# Altium PCB higgs.PcbDoc (part 23 of 25)
Units mm, origin at the board's own origin, x right, y up, seen from the top; angles counter-clockwise.
Board outline 160 x 160 mm, 15 copper layers (TOP, P1(GND), S1(V), P2(GND), S2(H), P3(GND), S3(V12/V2V5), S4(VDDR), P4(GND), S5(V), P5(GND), S6(H), P6(GND), P1(GND) (Plane1), BOT), stack 3.262 mm thick; 1283 components, 2419 nets, 11066 pads, 5487 vias.
Unrouted connection lines stored in the file: 239.
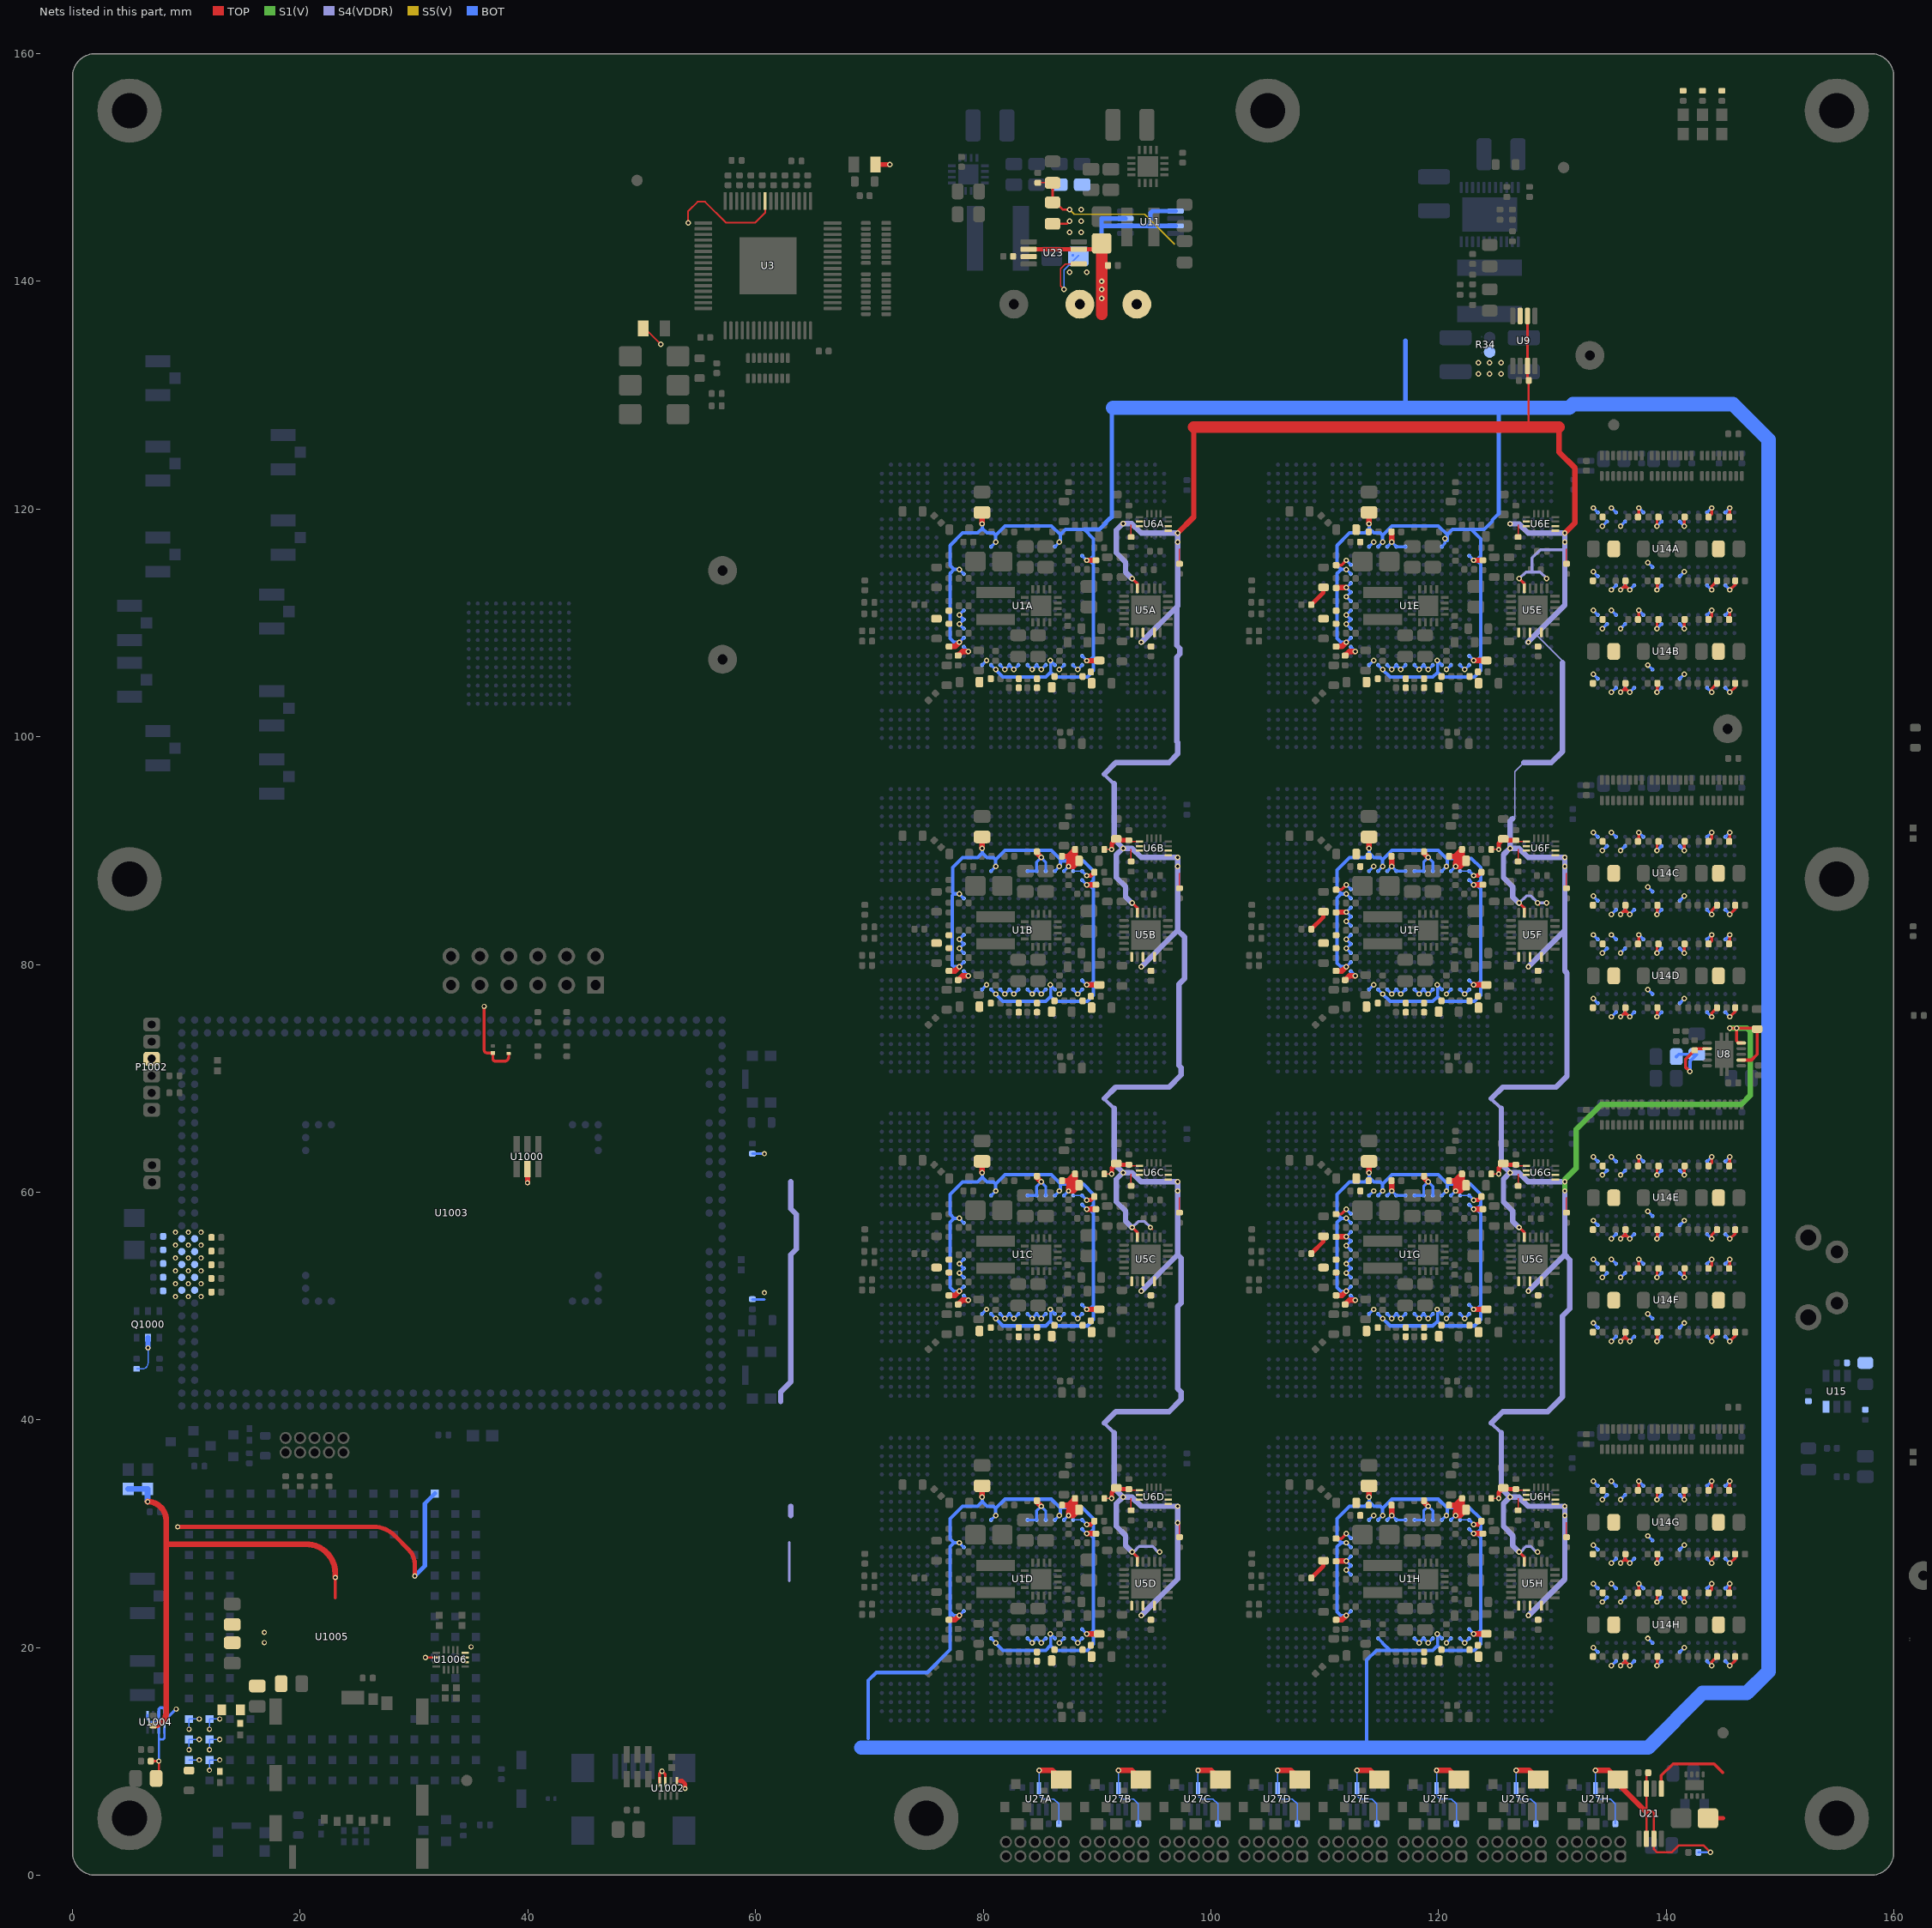
[diagram p36: the nets of this part, all layers, seen from the top]

## Via types
v1: diameter 0.483, hole 0.254, TOP to BOT, tented both sides, 5146 vias
v2: diameter 0.457, hole 0.254, TOP to BOT, tented both sides, 278 vias
v3: diameter 0.5, hole 0.25, TOP to BOT, 50 vias
v4: diameter 0.483/0/0/0/0.483/0/0/0.483 (per signal layer), hole 0.254, TOP to BOT, tented both sides, 7 vias
v5: diameter 0.483, hole 0.254, TOP to BOT, tented bottom, 5 vias
v6: diameter 0.483, hole 0.254, TOP to BOT, 1 vias

## Nets (pads, with @x,y where several pads share a name; then routed paths per layer and width w, separated by ;. In a path a pad name is that pad's centre, name@x,y a point inside that pad or via, vN(x,y) a via of type N, cw(c..) or ccw(c..) an arc to the next point about the centre after c; other vN are vias at no path point) (continued)
V1V35: C15E.2 C15F.2 C15G.2 C15H.2 C16E.2 C16F.2 C16G.2 C16H.2 C17E.2 C17F.2 C17G.2 C17H.2 C18E.2 C18F.2 C18G.2 C18H.2 C22A.2 C22B.2 C22C.2 C22D.2 C22E.2 C22F.2 C22G.2 C22H.2 C23A.2 C23B.2 C23C.2 C23D.2 C23E.2 C23F.2 C23G.2 C23H.2 C24A.2 C24B.2 C24C.2 C24D.2 C24E.2 C24F.2 C24G.2 C24H.2 C25A.2 C25B.2 C25C.2 C25D.2 C25E.2 C25F.2 C25G.2 C25H.2 C28A.2 C28B.2 C28C.2 C28D.2 C28E.2 C28F.2 C28G.2 C28H.2 C29A.2 C29B.2 C29C.2 C29D.2 C29E.2 C29F.2 C29G.2 C29H.2 C30A.2 C30B.2 C30C.2 C30D.2 C30E.2 C30F.2 C30G.2 C30H.2 C31B.2 C31C.2 C31D.2 C31F.2 C31G.2 C31H.2 C32B.2 C32C.2 C32D.2 C32F.2 C32G.2 C32H.2 C33B.2 C33C.2 C33D.2 C33F.2 C33G.2 C33H.2 C34B.2 C34C.2 C34D.2 C34F.2 C34G.2 C34H.2 C35B.2 C35C.2 C35D.2 C35F.2 C35G.2 C35H.2 C36B.2 C36C.2 C36D.2 C36F.2 C36G.2 C36H.2 C46E.2 C46F.2 C46G.2 C46H.2 C47E.2 C47F.2 C47G.2 C47H.2 C48E.2 C48F.2 C48G.2 C48H.2 C49E.2 C49F.2 C49G.2 C49H.2 C50A.2 C50B.2 C50C.2 C50E.2 C50F.2 C50G.2 C51A.2 C51B.2 C51C.2 C51E.2 C51F.2 C51G.2 C52A.2 C52B.2 C52C.2 C52E.2 C52F.2 C52G.2 C53A.2 C53B.2 C53C.2 C53E.2 C53F.2 C53G.2 C54A.2 C54B.2 C54C.2 C54E.2 C54F.2 C54G.2 C55A.2 C55B.2 C55C.2 C55E.2 C55F.2 C55G.2 C56A.2 C56B.2 C56C.2 C56E.2 C56F.2 C56G.2 C57A.2 C57B.2 C57C.2 C57E.2 C57F.2 C57G.2 C77.2 C78.2 C118A.1 C118B.1 C118C.1 C118D.1 C118E.1 C118F.1 C118G.1 C118H.1 C119A.2 C119B.2 C119C.2 C119D.2 C119E.2 C119F.2 C119G.2 C119H.2 C120A.2 C120B.2 C120C.2 C120D.2 C120E.2 C120F.2 C120G.2 C120H.2 C121A.2 C121B.2 C121C.2 C121D.2 C121E.2 C121F.2 C121G.2 C121H.2 C122A.2 C122B.2 C122C.2 C122D.2 C122E.2 C122F.2 C122G.2 C122H.2 C123A.2 C123B.2 C123C.2 C123D.2 C123E.2 C123F.2 C123G.2 C123H.2 C124A.1 C124B.1 C124C.1 C124D.1 C124E.1 C124F.1 C124G.1 C124H.1 C125A.2 C125B.2 C125C.2 C125D.2 C125E.2 C125F.2 C125G.2 C125H.2 C126A.2 C126B.2 C126C.2 C126D.2 C126E.2 C126F.2 C126G.2 C126H.2 C127A.2 C127B.2 C127C.2 C127D.2 C127E.2 C127F.2 C127G.2 C127H.2 C128A.2 C128B.2 C128C.2 C128D.2 C128E.2 C128F.2 C128G.2 C128H.2 C129A.2 C129B.2 C129C.2 C129D.2 C129E.2 C129F.2 C129G.2 C129H.2 C130A.2 C130B.2 C130C.2 C130D.2 C130E.2 C130F.2 C130G.2 C130H.2 NT5.A R1B.2 R1C.2 R1D.2 R1F.2 R1G.2 R1H.2 R4B.2 R4C.2 R4D.2 R4F.2 R4G.2 R4H.2 R31.1 R34.2 R57.2 U1A.AA23 U1A.AB23 U1A.AC23 U1A.K17 U1A.K18 U1A.K19 U1A.K21 U1A.M23 U1A.P23 U1A.R23 U1A.T23 U1A.U23 U1A.V23 U1A.W23 U1B.AA10 U1B.AA23 U1B.AB10 U1B.AB23 U1B.AC10 U1B.AC23 U1B.K17 U1B.K18 U1B.K19 U1B.K21 U1B.M23 U1B.P23 U1B.R23 U1B.T23 U1B.U10 U1B.U23 U1B.V10 U1B.V23 U1B.W10 U1B.W23 U1C.AA10 U1C.AA23 U1C.AB10 U1C.AB23 U1C.AC10 U1C.AC23 U1C.K17 U1C.K18 U1C.K19 U1C.K21 U1C.M23 U1C.P23 U1C.R23 U1C.T23 U1C.U10 U1C.U23 U1C.V10 U1C.V23 U1C.W10 U1C.W23 U1D.AA10 U1D.AA23 U1D.AB10 U1D.AB23 U1D.AC10 U1D.AC23 U1D.U10 U1D.U23 U1D.V10 U1D.V23 U1D.W10 U1D.W23 U1E.AA23 U1E.AB23 U1E.AC23 U1E.K12 U1E.K14 U1E.K15 U1E.K16 U1E.K17 U1E.K18 U1E.K19 U1E.K21 U1E.M10 U1E.M23 U1E.P10 U1E.P23 U1E.R10 U1E.R23 U1E.T10 U1E.T23 U1E.U23 U1E.V23 U1E.W23 U1F.AA10 U1F.AA23 U1F.AB10 U1F.AB23 U1F.AC10 U1F.AC23 U1F.K12 U1F.K14 U1F.K15 U1F.K16 U1F.K17 U1F.K18 U1F.K19 U1F.K21 U1F.M10 U1F.M23 U1F.P10 U1F.P23 U1F.R10 U1F.R23 U1F.T10 U1F.T23 U1F.U10 U1F.U23 U1F.V10 U1F.V23 U1F.W10 U1F.W23 U1G.AA10 U1G.AA23 U1G.AB10 U1G.AB23 U1G.AC10 U1G.AC23 U1G.K12 U1G.K14 U1G.K15 U1G.K16 U1G.K17 U1G.K18 U1G.K19 U1G.K21 U1G.M10 U1G.M23 U1G.P10 U1G.P23 U1G.R10 U1G.R23 U1G.T10 U1G.T23 U1G.U10 U1G.U23 U1G.V10 U1G.V23 U1G.W10 U1G.W23 U1H.AA10 U1H.AA23 U1H.AB10 U1H.AB23 U1H.AC10 U1H.AC23 U1H.K12 U1H.K14 U1H.K15 U1H.K16 U1H.M10 U1H.P10 U1H.R10 U1H.T10 U1H.U10 U1H.U23 U1H.V10 U1H.V23 U1H.W10 U1H.W23 U6B.13 U6C.13 U6D.13 U6F.13 U6G.13 U6H.13 U8.2 U14A.A1 U14A.A8 U14A.B2 U14A.C1 U14A.C9 U14A.D2 U14A.D9 U14A.E9 U14A.F1 U14A.G7 U14A.H2 U14A.H9 U14A.K2 U14A.K8 U14A.N1 U14A.N9 U14A.R1 U14A.R9 U14B.A1 U14B.A8 U14B.B2 U14B.C1 U14B.C9 U14B.D2 U14B.D9 U14B.E9 U14B.F1 U14B.G7 U14B.H2 U14B.H9 U14B.K2 U14B.K8 U14B.N1 U14B.N9 U14B.R1 U14B.R9 U14C.A1 U14C.A8 U14C.B2 U14C.C1 U14C.C9 U14C.D2 U14C.D9 U14C.E9 U14C.F1 U14C.G7 U14C.H2 U14C.H9 U14C.K2 U14C.K8 U14C.N1 U14C.N9 U14C.R1 U14C.R9 U14D.A1 U14D.A8 U14D.B2 U14D.C1 U14D.C9 U14D.D2 U14D.D9 U14D.E9 U14D.F1 U14D.G7 U14D.H2 U14D.H9 U14D.K2 U14D.K8 U14D.N1 U14D.N9 U14D.R1 U14D.R9 U14E.A1 U14E.A8 U14E.B2 U14E.C1 U14E.C9 U14E.D2 U14E.D9 U14E.E9 U14E.F1 U14E.G7 U14E.H2 U14E.H9 U14E.K2 U14E.K8 U14E.N1 U14E.N9 U14E.R1 U14E.R9 U14F.A1 U14F.A8 U14F.B2 U14F.C1 U14F.C9 U14F.D2 U14F.D9 U14F.E9 U14F.F1 U14F.G7 U14F.H2 U14F.H9 U14F.K2 U14F.K8 U14F.N1 U14F.N9 U14F.R1 U14F.R9 U14G.A1 U14G.A8 U14G.B2 U14G.C1 U14G.C9 U14G.D2 U14G.D9 U14G.E9 U14G.F1 U14G.G7 U14G.H2 U14G.H9 U14G.K2 U14G.K8 U14G.N1 U14G.N9 U14G.R1 U14G.R9 U14H.A1 U14H.A8 U14H.B2 U14H.C1 U14H.C9 U14H.D2 U14H.D9 U14H.E9 U14H.F1 U14H.G7 U14H.H2 U14H.H9 U14H.K2 U14H.K8 U14H.N1 U14H.N9 U14H.R1 U14H.R9 | length 369.1
  TOP w0.1: R1D.2@90.645,33.1 v1@91.2,33.1 ; R1C.2@90.645,61.6 v1@91.2,61.6 ; R1B.2@90.645,90.1 v1@91.2,90.1 ; R4D.2@92.8,33.91 92.91,33.8 U6D.13@93.725,33.8 ; R4C.2@92.8,62.41 92.91,62.3 U6C.13@93.725,62.3 ; R4B.2@92.8,90.91 92.91,90.8 U6B.13@93.725,90.8 ; R1H.2@124.645,33.1 v1@125.2,33.1 ; R1G.2@124.645,61.6 v1@125.2,61.6 ; R1F.2@124.645,90.1 v1@125.2,90.1 ; R4H.2@126.8,33.91 126.91,33.8 U6H.13@127.725,33.8 ; R4G.2@126.8,62.41 126.91,62.3 U6G.13@127.725,62.3 ; R4F.2@126.8,90.91 126.91,90.8 U6F.13@127.725,90.8
  TOP w0.254: C48H.2@111,29.57 111.47,29.57 v1(111.9,30) ; C48G.2@111,58.07 111.47,58.07 v1(111.9,58.5) ; C48F.2@111,86.57 111.47,86.57 v1(111.9,87) ; C48E.2@111,115.07 111.47,115.07 v1(111.9,115.5) ; C119H.2@133.57,19.2 C119H.2@133.599,19.229 ; C119G.2@133.57,28.2 C119G.2@133.599,28.229 ; C119F.2@133.57,47.7 C119F.2@133.599,47.729 ; C119E.2@133.57,56.7 C119E.2@133.599,56.729 ; C119D.2@133.57,76.2 C119D.2@133.599,76.229 ; C119C.2@133.57,85.2 C119C.2@133.599,85.229 ; C119B.2@133.57,104.7 C119B.2@133.599,104.729 ; C119A.2@133.57,113.7 C119A.2@133.599,113.729 ; C122H.2@134.399,24.769 C122H.2@134.43,24.8 ; C122G.2@134.399,33.769 C122G.2@134.43,33.8 ; C122F.2@134.399,53.269 C122F.2@134.43,53.3 ; C122E.2@134.399,62.269 C122E.2@134.43,62.3 ; C122D.2@134.399,81.769 C122D.2@134.43,81.8 ; C122C.2@134.399,90.769 C122C.2@134.43,90.8 ; C122B.2@134.399,110.269 C122B.2@134.43,110.3 ; C122A.2@134.399,119.269 C122A.2@134.43,119.3 ; v1@135.199,25.569 v1(135.199,25.6) ; v1@135.199,34.569 v1(135.199,34.6) ; v1@135.199,54.069 v1(135.199,54.1) ; v1@135.199,63.069 v1(135.199,63.1) ; v1@135.199,82.569 v1(135.199,82.6) ; v1@135.199,91.569 v1(135.199,91.6) ; v1@135.199,111.069 v1(135.199,111.1) ; v1@135.199,120.069 v1(135.199,120.1) ; v1(136,18.4) 136.25,18.65 136.4,18.65 ; v1(136,27.4) 136.25,27.65 136.4,27.65 ; v1(136,46.9) 136.25,47.15 136.4,47.15 ; v1(136,55.9) 136.25,56.15 136.4,56.15 ; v1(136,75.4) 136.25,75.65 136.4,75.65 ; v1(136,84.4) 136.25,84.65 136.4,84.65 ; v1(136,103.9) 136.25,104.15 136.4,104.15 ; v1(136,112.9) 136.25,113.15 136.4,113.15 ; C130H.2@136.43,19.2 136.4,19.17 136.4,18.65 ; C130G.2@136.43,28.2 136.4,28.17 136.4,27.65 ; C130F.2@136.43,47.7 136.4,47.67 136.4,47.15 ; C130E.2@136.43,56.7 136.4,56.67 136.4,56.15 ; C130D.2@136.43,76.2 136.4,76.17 136.4,75.65 ; C130C.2@136.43,85.2 136.4,85.17 136.4,84.65 ; C130B.2@136.43,104.7 136.4,104.67 136.4,104.15 ; C130A.2@136.43,113.7 136.4,113.67 136.4,113.15 ; v1(136.8,18.4) 136.549,18.65 136.4,18.65 ; v1(136.8,27.4) 136.549,27.65 136.4,27.65 ; v1(136.8,46.9) 136.549,47.15 136.4,47.15 ; v1(136.8,55.9) 136.549,56.15 136.4,56.15 ; v1(136.8,75.4) 136.549,75.65 136.4,75.65 ; v1(136.8,84.4) 136.549,84.65 136.4,84.65 ; v1(136.8,103.9) 136.549,104.15 136.4,104.15 ; v1(136.8,112.9) 136.549,113.15 136.4,113.15 ; C123H.2@137.53,24.8 137.6,24.87 v1(137.6,25.6) ; C123G.2@137.53,33.8 137.6,33.87 v1(137.6,34.6) ; C123F.2@137.53,53.3 137.6,53.37 v1(137.6,54.1) ; C123E.2@137.53,62.3 137.6,62.37 v1(137.6,63.1) ; C123D.2@137.53,81.8 137.6,81.87 v1(137.6,82.6) ; C123C.2@137.53,90.8 137.6,90.87 v1(137.6,91.6) ; C123B.2@137.53,110.3 137.6,110.37 v1(137.6,111.1) ; C123A.2@137.53,119.3 137.6,119.37 v1(137.6,120.1) ; v1(139.2,18.4) 139.23,18.43 C121H.2@139.23,19.2 ; v1(139.2,24) 139.2,24.67 C125H.2@139.33,24.8 ; v1(139.2,27.4) 139.23,27.43 C121G.2@139.23,28.2 ; v1(139.2,33) 139.2,33.67 C125G.2@139.33,33.8 ; v1(139.2,46.9) 139.23,46.93 C121F.2@139.23,47.7 ; v1(139.2,52.5) 139.2,53.17 C125F.2@139.33,53.3 ; v1(139.2,55.9) 139.23,55.93 C121E.2@139.23,56.7 ; v1(139.2,61.5) 139.2,62.17 C125E.2@139.33,62.3 ; v1(139.2,75.4) 139.23,75.43 C121D.2@139.23,76.2 ; v1(139.2,81) 139.2,81.67 C125D.2@139.33,81.8 ; v1(139.2,84.4) 139.23,84.43 C121C.2@139.23,85.2 ; v1(139.2,90) 139.2,90.67 C125C.2@139.33,90.8 ; v1(139.2,103.9) 139.23,103.93 C121B.2@139.23,104.7 ; v1(139.2,109.5) 139.2,110.17 C125B.2@139.33,110.3 ; v1(139.2,112.9) 139.23,112.93 C121A.2@139.23,113.7 ; v1(139.2,118.5) 139.2,119.17 C125A.2@139.33,119.3 ; v1(141.6,24) 141.6,24.77 C126H.2@141.63,24.8 ; v1(141.6,33) 141.6,33.77 C126G.2@141.63,33.8 ; v1(141.6,52.5) 141.6,53.27 C126F.2@141.63,53.3 ; v1(141.6,61.5) 141.6,62.27 C126E.2@141.63,62.3 ; v1(141.6,81) 141.6,81.77 C126D.2@141.63,81.8 ; v1(141.6,90) 141.6,90.77 C126C.2@141.63,90.8 ; v1(141.6,109.5) 141.6,110.27 C126B.2@141.63,110.3 ; v1(141.6,118.5) 141.6,119.27 C126A.2@141.63,119.3 ; C128H.2@143.73,24.8 144,25.07 v1(144,25.6) ; C128G.2@143.73,33.8 144,34.07 v1(144,34.6) ; C128F.2@143.73,53.3 144,53.57 v1(144,54.1) ; C128E.2@143.73,62.3 144,62.57 v1(144,63.1) ; C128D.2@143.73,81.8 144,82.07 v1(144,82.6) ; C128C.2@143.73,90.8 144,91.07 v1(144,91.6) ; C128B.2@143.73,110.3 144,110.57 v1(144,111.1) ; C128A.2@143.73,119.3 144,119.57 v1(144,120.1) ; v1(144,18.4) 144,18.73 C120H.2@144.47,19.2 ; v1(144,27.4) 144,27.73 C120G.2@144.47,28.2 ; v1(144,46.9) 144,47.23 C120F.2@144.47,47.7 ; v1(144,55.9) 144,56.23 C120E.2@144.47,56.7 ; v1(144,75.4) 144,75.73 C120D.2@144.47,76.2 ; v1(144,84.4) 144,84.73 C120C.2@144.47,85.2 ; v1(144,103.9) 144,104.23 C120B.2@144.47,104.7 ; v1(144,112.9) 144,113.23 C120A.2@144.47,113.7 ; C127H.2@145.53,24.8 145.601,24.871 v1(145.601,25.6) ; C127G.2@145.53,33.8 145.601,33.871 v1(145.601,34.6) ; C127F.2@145.53,53.3 145.601,53.371 v1(145.601,54.1) ; C127E.2@145.53,62.3 145.601,62.371 v1(145.601,63.1) ; C127D.2@145.53,81.8 145.601,81.871 v1(145.601,82.6) ; C127C.2@145.53,90.8 145.601,90.871 v1(145.601,91.6) ; C127B.2@145.53,110.3 145.601,110.371 v1(145.601,111.1) ; C127A.2@145.53,119.3 145.601,119.371 v1(145.601,120.1) ; v1(145.601,18.4) 146.07,18.869 C129H.2@146.07,19.2 ; v1(145.601,27.4) 146.07,27.869 C129G.2@146.07,28.2 ; v1(145.601,46.9) 146.07,47.369 C129F.2@146.07,47.7 ; v1(145.601,55.9) 146.07,56.369 C129E.2@146.07,56.7 ; v1(145.601,75.4) 146.07,75.869 C129D.2@146.07,76.2 ; v1(145.601,84.4) 146.07,84.869 C129C.2@146.07,85.2 ; v1(145.601,103.9) 146.07,104.369 C129B.2@146.07,104.7 ; v1(145.601,112.9) 146.07,113.369 C129A.2@146.07,113.7
  TOP w0.28: v1(142.1,70.6) 141.7,71 141.7,71.655 R31.1@142.5,72.455 142.645,72.6 U8.2@143.6,72.6
  TOP w0.381: v1(89.1,30.8) 89.47,30.8 C32D.2@89.77,31.1 ; v1(89.1,59.3) 89.47,59.3 C32C.2@89.77,59.6 ; v1(89.1,87.8) 89.47,87.8 C32B.2@89.77,88.1 ; v1@91.3,33.2 91.3,33.625 C31D.2@91.7,34.025 91.815,33.91 R4D.2@92.8,33.91 ; v1@91.3,61.7 91.3,62.125 C31C.2@91.7,62.525 91.815,62.41 R4C.2@92.8,62.41 ; v1@91.3,90.2 91.3,90.625 C31B.2@91.7,91.025 91.815,90.91 R4B.2@92.8,90.91 ; C49H.2@108.83,26.1 109.9,27.17 C46H.2@109.9,27.625 ; C49G.2@108.83,54.6 109.9,55.67 C46G.2@109.9,56.125 ; C49F.2@108.83,83.1 109.9,84.17 C46F.2@109.9,84.625 ; C49E.2@108.83,111.6 109.9,112.67 C46E.2@109.9,113.125 ; v1(123.1,30.8) 123.47,30.8 C32H.2@123.77,31.1 ; v1(123.1,59.3) 123.47,59.3 C32G.2@123.77,59.6 ; v1(123.1,87.8) 123.47,87.8 C32F.2@123.77,88.1 ; v1@125.3,33.2 125.3,33.625 C31H.2@125.7,34.025 125.815,33.91 R4H.2@126.8,33.91 ; v1@125.3,61.7 125.3,62.125 C31G.2@125.7,62.525 125.815,62.41 R4G.2@126.8,62.41 ; v1@125.3,90.2 125.3,90.625 C31F.2@125.7,91.025 125.815,90.91 R4F.2@126.8,90.91
  TOP w0.406: 87.5,31.93 87.5,32.5 ; 87.5,60.43 87.5,61 ; 87.5,88.93 87.5,89.5 ; 121.5,31.93 121.5,32.5 ; 121.5,60.43 121.5,61 ; 121.5,88.93 121.5,89.5
  TOP w0.483: C52C.2@77,52.93 C52C.2@77.03,52.9 ; C52B.2@77,81.43 C52B.2@77.03,81.4 ; C52A.2@77,109.93 C52A.2@77.03,109.9 ; C51C.2@77.8,50.13 78.17,50.5 v1(78.7,50.5) ; C51B.2@77.8,78.63 78.17,79 v1(78.7,79) ; C51A.2@77.8,107.13 78.17,107.5 v1(78.7,107.5) ; C36D.2@84.73,32.9 84.73,32.77 v1(85.1,32.4) ; C36C.2@84.73,61.4 84.73,61.27 v1(85.1,60.9) ; C36B.2@84.73,89.9 84.73,89.77 v1(85.1,89.4) ; C35D.2@86.93,32.5 87.47,32.5 ; C35C.2@86.93,61 87.47,61 ; C35B.2@86.93,89.5 87.47,89.5 ; 87.5,31.93 v1(87.5,31.6) 87.925,31.6 ; 87.5,32.5 87.47,32.5 ; 87.5,60.43 v1(87.5,60.1) 87.925,60.1 ; 87.5,61 87.47,61 ; 87.5,88.93 v1(87.5,88.6) 87.925,88.6 ; 87.5,89.5 87.47,89.5 ; C47H.2@111,27.57 111.03,27.6 v1(111.9,27.6) ; C52G.2@111,52.93 C52G.2@111.03,52.9 ; C47G.2@111,56.07 111.03,56.1 v1(111.9,56.1) ; C52F.2@111,81.43 C52F.2@111.03,81.4 ; C47F.2@111,84.57 111.03,84.6 v1(111.9,84.6) ; C52E.2@111,109.93 C52E.2@111.03,109.9 ; C47E.2@111,113.07 111.03,113.1 v1(111.9,113.1) ; C51G.2@111.8,50.13 112.17,50.5 v1(112.7,50.5) ; C51F.2@111.8,78.63 112.17,79 v1(112.7,79) ; C51E.2@111.8,107.13 112.17,107.5 v1(112.7,107.5) ; v1(115.9,31.6) C16H.2@115.9,32.33 ; v1(115.9,60.1) C16G.2@115.9,60.83 ; v1(115.9,88.6) C16F.2@115.9,89.33 ; v1(115.9,117.1) C16E.2@115.9,117.83 ; C36H.2@118.73,32.9 118.73,32.77 v1(119.1,32.4) ; C36G.2@118.73,61.4 118.73,61.27 v1(119.1,60.9) ; C36F.2@118.73,89.9 118.73,89.77 v1(119.1,89.4) ; C35H.2@120.93,32.5 121.47,32.5 ; C35G.2@120.93,61 121.47,61 ; C35F.2@120.93,89.5 121.47,89.5 ; 121.5,31.93 v1(121.5,31.6) 121.925,31.6 ; 121.5,32.5 121.47,32.5 ; 121.5,60.43 v1(121.5,60.1) 121.925,60.1 ; 121.5,61 121.47,61 ; 121.5,88.93 v1(121.5,88.6) 121.925,88.6 ; 121.5,89.5 121.47,89.5 ; 87.47,32.5 87.735,32.765 ; 87.47,61 87.735,61.265 ; 87.47,89.5 87.735,89.765 ; 87.735,32.765 87.925,32.575 87.925,31.6 ; 87.735,32.765 C34D.2@88.07,33.1 88.07,32.455 C33D.2@88.425,32.1 87.925,31.6 ; 87.735,61.265 87.925,61.075 87.925,60.1 ; 87.735,61.265 C34C.2@88.07,61.6 88.07,60.955 C33C.2@88.425,60.6 87.925,60.1 ; 87.735,89.765 87.925,89.575 87.925,88.6 ; 87.735,89.765 C34B.2@88.07,90.1 88.07,89.455 C33B.2@88.425,89.1 87.925,88.6 ; 121.47,32.5 121.735,32.765 ; 121.47,61 121.735,61.265 ; 121.47,89.5 121.735,89.765 ; 121.735,32.765 121.925,32.575 121.925,31.6 ; 121.735,32.765 C34H.2@122.07,33.1 122.07,32.455 C33H.2@122.425,32.1 121.925,31.6 ; 121.735,61.265 121.925,61.075 121.925,60.1 ; 121.735,61.265 C34G.2@122.07,61.6 122.07,60.955 C33G.2@122.425,60.6 121.925,60.1 ; 121.735,89.765 121.925,89.575 121.925,88.6 ; 121.735,89.765 C34F.2@122.07,90.1 122.07,89.455 C33F.2@122.425,89.1 121.925,88.6
  BOT w0.102: U1D.AB10@87.9,31.2 U1D.AC10@88.7,31.2 ; U1C.AB10@87.9,59.7 U1C.AC10@88.7,59.7 ; U1B.AB10@87.9,88.2 U1B.AC10@88.7,88.2 ; U1H.AB10@121.9,31.2 U1H.AC10@122.7,31.2 ; U1G.AB10@121.9,59.7 U1G.AC10@122.7,59.7 ; U1F.AB10@121.9,88.2 U1F.AC10@122.7,88.2
  BOT w0.254: U1C.K21@78.3,50.9 v1(78.7,50.5) ; U1C.K19@78.3,52.5 v1(77.9,52.9) U1C.K18@78.3,53.3 v1(77.9,53.7) U1C.K17@78.3,54.1 ; U1B.K21@78.3,79.4 v1(78.7,79) ; U1B.K19@78.3,81 v1(77.9,81.4) U1B.K18@78.3,81.8 v1(77.9,82.2) U1B.K17@78.3,82.6 ; U1A.K21@78.3,107.9 v1(78.7,107.5) ; U1A.K19@78.3,109.5 v1(77.9,109.9) U1A.K18@78.3,110.3 v1(77.9,110.7) U1A.K17@78.3,111.1 ; U1C.M23@79.9,49.3 v1(80.3,49.7) ; U1B.M23@79.9,77.8 v1(80.3,78.2) ; U1A.M23@79.9,106.3 v1(80.3,106.7) ; U1C.P23@81.5,49.3 v1(81.9,48.9) U1C.R23@82.3,49.3 v1(82.7,48.9) U1C.T23@83.1,49.3 ; U1B.P23@81.5,77.8 v1(81.9,77.4) U1B.R23@82.3,77.8 v1(82.7,77.4) U1B.T23@83.1,77.8 ; U1A.P23@81.5,106.3 v1(81.9,105.9) U1A.R23@82.3,106.3 v1(82.7,105.9) U1A.T23@83.1,106.3 ; U1D.U23@83.9,20.8 v1(84.3,20.4) U1D.V23@84.7,20.8 v1(85.1,20.4) U1D.W23@85.5,20.8 ; U1D.U10@83.9,31.2 U1D.V10@84.7,31.2 84.7,32 v1(85.1,32.4) 85.5,32 U1D.W10@85.5,31.2 ; U1C.U23@83.9,49.3 v1(84.3,48.9) U1C.V23@84.7,49.3 v1(85.1,48.9) U1C.W23@85.5,49.3 ; U1C.U10@83.9,59.7 84.7,59.7 84.7,60.5 v1(85.1,60.9) 85.5,60.5 U1C.W10@85.5,59.7 ; U1B.U23@83.9,77.8 v1(84.3,77.4) U1B.V23@84.7,77.8 v1(85.1,77.4) U1B.W23@85.5,77.8 ; U1B.U10@83.9,88.2 U1B.V10@84.7,88.2 84.7,89 v1(85.1,89.4) 85.5,89 U1B.W10@85.5,88.2 ; U1A.U23@83.9,106.3 v1(84.3,105.9) U1A.V23@84.7,106.3 v1(85.1,105.9) U1A.W23@85.5,106.3 ; v1(86.7,20.4) U1D.AA23@87.1,20.8 ; v1(86.7,48.9) U1C.AA23@87.1,49.3 ; v1(86.7,77.4) U1B.AA23@87.1,77.8 ; v1(86.7,105.9) U1A.AA23@87.1,106.3 ; U1D.AA10@87.1,31.2 v1(87.5,31.6) ; U1C.AA10@87.1,59.7 v1(87.5,60.1) ; U1B.AA10@87.1,88.2 v1(87.5,88.6) ; U1D.AB23@87.9,20.8 v1(88.3,20.4) U1D.AC23@88.7,20.8 ; U1C.AB23@87.9,49.3 v1(88.3,48.9) U1C.AC23@88.7,49.3 ; U1B.AB23@87.9,77.8 v1(88.3,77.4) U1B.AC23@88.7,77.8 ; U1A.AB23@87.9,106.3 v1(88.3,105.9) U1A.AC23@88.7,106.3 ; U1D.AC10@88.7,31.2 v1(89.1,30.8) ; U1C.AC10@88.7,59.7 v1(89.1,59.3) ; U1B.AC10@88.7,88.2 v1(89.1,87.8) ; v1(111.9,30) U1H.K12@112.3,29.6 ; v1(111.9,58.5) U1G.K12@112.3,58.1 ; v1(111.9,87) U1F.K12@112.3,86.6 ; v1(111.9,115.5) U1E.K12@112.3,115.1 ; U1H.K16@112.3,26.4 v1(111.9,26.8) U1H.K15@112.3,27.2 v1(111.9,27.6) U1H.K14@112.3,28 ; U1G.K21@112.3,50.9 v1(112.7,50.5) ; U1G.K19@112.3,52.5 v1(111.9,52.9) U1G.K18@112.3,53.3 v1(111.9,53.7) U1G.K17@112.3,54.1 ; U1G.K16@112.3,54.9 v1(111.9,55.3) U1G.K15@112.3,55.7 v1(111.9,56.1) U1G.K14@112.3,56.5 ; U1F.K21@112.3,79.4 v1(112.7,79) ; U1F.K19@112.3,81 v1(111.9,81.4) U1F.K18@112.3,81.8 v1(111.9,82.2) U1F.K17@112.3,82.6 ; U1F.K16@112.3,83.4 v1(111.9,83.8) U1F.K15@112.3,84.2 v1(111.9,84.6) U1F.K14@112.3,85 ; U1E.K21@112.3,107.9 v1(112.7,107.5) ; U1E.K19@112.3,109.5 v1(111.9,109.9) U1E.K18@112.3,110.3 v1(111.9,110.7) U1E.K17@112.3,111.1 ; U1E.K16@112.3,111.9 v1(111.9,112.3) U1E.K15@112.3,112.7 v1(111.9,113.1) U1E.K14@112.3,113.5 ; U1H.M10@113.9,31.2 v1(114.3,31.6) ; U1G.M23@113.9,49.3 v1(114.3,49.7) ; U1G.M10@113.9,59.7 v1(114.3,60.1) ; U1F.M23@113.9,77.8 v1(114.3,78.2) ; U1F.M10@113.9,88.2 v1(114.3,88.6) ; U1E.M23@113.9,106.3 v1(114.3,106.7) ; U1E.M10@113.9,116.7 v1(114.3,117.1) ; U1H.P10@115.5,31.2 v1(115.9,31.6) U1H.R10@116.3,31.2 U1H.T10@117.1,31.2 ; U1G.P23@115.5,49.3 v1(115.9,48.9) U1G.R23@116.3,49.3 v1(116.7,48.9) U1G.T23@117.1,49.3 ; U1G.P10@115.5,59.7 v1(115.9,60.1) 116.3,59.7 U1G.T10@117.1,59.7 ; U1F.P23@115.5,77.8 v1(115.9,77.4) U1F.R23@116.3,77.8 v1(116.7,77.4) U1F.T23@117.1,77.8 ; U1F.P10@115.5,88.2 v1(115.9,88.6) U1F.R10@116.3,88.2 U1F.T10@117.1,88.2 ; U1E.P23@115.5,106.3 v1(115.9,105.9) U1E.R23@116.3,106.3 v1(116.7,105.9) U1E.T23@117.1,106.3 ; U1E.P10@115.5,116.7 v1(115.9,117.1) U1E.R10@116.3,116.7 U1E.T10@117.1,116.7 ; U1H.U23@117.9,20.8 v1(118.3,20.4) U1H.V23@118.7,20.8 v1(119.1,20.4) U1H.W23@119.5,20.8 ; U1H.U10@117.9,31.2 U1H.V10@118.7,31.2 118.7,32 v1(119.1,32.4) 119.5,32 U1H.W10@119.5,31.2 ; U1G.U23@117.9,49.3 v1(118.3,48.9) U1G.V23@118.7,49.3 v1(119.1,48.9) U1G.W23@119.5,49.3 ; U1G.U10@117.9,59.7 118.7,59.7 118.7,60.5 v1(119.1,60.9) 119.5,60.5 U1G.W10@119.5,59.7 ; U1F.U23@117.9,77.8 v1(118.3,77.4) U1F.V23@118.7,77.8 v1(119.1,77.4) U1F.W23@119.5,77.8 ; U1F.U10@117.9,88.2 U1F.V10@118.7,88.2 118.7,89 v1(119.1,89.4) 119.5,89 U1F.W10@119.5,88.2 ; U1E.U23@117.9,106.3 v1(118.3,105.9) U1E.V23@118.7,106.3 v1(119.1,105.9) U1E.W23@119.5,106.3 ; v1(120.7,20.4) U1H.AA23@121.1,20.8 ; v1(120.7,48.9) U1G.AA23@121.1,49.3 ; v1(120.7,77.4) U1F.AA23@121.1,77.8 ; v1(120.7,105.9) U1E.AA23@121.1,106.3 ; U1H.AA10@121.1,31.2 v1(121.5,31.6) ; U1G.AA10@121.1,59.7 v1(121.5,60.1) ; U1F.AA10@121.1,88.2 v1(121.5,88.6) ; U1H.AB23@121.9,20.8 v1(122.3,20.4) U1H.AC23@122.7,20.8 ; U1G.AB23@121.9,49.3 v1(122.3,48.9) U1G.AC23@122.7,49.3 ; U1F.AB23@121.9,77.8 v1(122.3,77.4) U1F.AC23@122.7,77.8 ; U1E.AB23@121.9,106.3 v1(122.3,105.9) U1E.AC23@122.7,106.3 ; U1H.AC10@122.7,31.2 v1(123.1,30.8) ; U1G.AC10@122.7,59.7 v1(123.1,59.3) ; U1F.AC10@122.7,88.2 v1(123.1,87.8) ; v1(133.599,20) U14H.A8@133.999,19.6 ; v1(133.599,25.6) U14H.A1@133.999,25.2 ; v1(133.599,29) U14G.A8@133.999,28.6 ; v1(133.599,34.6) U14G.A1@133.999,34.2 ; v1(133.599,48.5) U14F.A8@133.999,48.1 ; v1(133.599,54.1) U14F.A1@133.999,53.7 ; v1(133.599,57.5) U14E.A8@133.999,57.1 ; v1(133.599,63.1) U14E.A1@133.999,62.7 ; v1(133.599,77) U14D.A8@133.999,76.6 ; v1(133.599,82.6) U14D.A1@133.999,82.2 ; v1(133.599,86) U14C.A8@133.999,85.6 ; v1(133.599,91.6) U14C.A1@133.999,91.2 ; v1(133.599,105.5) U14B.A8@133.999,105.1 ; v1(133.599,111.1) U14B.A1@133.999,110.7 ; v1(133.599,114.5) U14A.A8@133.999,114.1 ; v1(133.599,120.1) U14A.A1@133.999,119.7 ; v1(134.399,24) U14H.B2@134.799,24.4 ; v1(134.399,33) U14G.B2@134.799,33.4 ; v1(134.399,52.5) U14F.B2@134.799,52.9 ; v1(134.399,61.5) U14E.B2@134.799,61.9 ; v1(134.399,81) U14D.B2@134.799,81.4 ; v1(134.399,90) U14C.B2@134.799,90.4 ; v1(134.399,109.5) U14B.B2@134.799,109.9 ; v1(134.399,118.5) U14A.B2@134.799,118.9 ; v1(135.199,18.4) U14H.C9@135.599,18.8 ; v1(135.199,25.6) U14H.C1@135.599,25.2 ; v1(135.199,27.4) U14G.C9@135.599,27.8 ; v1(135.199,34.6) U14G.C1@135.599,34.2 ; v1(135.199,46.9) U14F.C9@135.599,47.3 ; v1(135.199,54.1) U14F.C1@135.599,53.7 ; v1(135.199,55.9) U14E.C9@135.599,56.3 ; v1(135.199,63.1) U14E.C1@135.599,62.7 ; v1(135.199,75.4) U14D.C9@135.599,75.8 ; v1(135.199,82.6) U14D.C1@135.599,82.2 ; v1(135.199,84.4) U14C.C9@135.599,84.8 ; v1(135.199,91.6) U14C.C1@135.599,91.2 ; v1(135.199,103.9) U14B.C9@135.599,104.3 ; v1(135.199,111.1) U14B.C1@135.599,110.7 ; v1(135.199,112.9) U14A.C9@135.599,113.3 ; v1(135.199,120.1) U14A.C1@135.599,119.7 ; v1(136,18.4) U14H.D9@136.4,18.8 ; v1(136,24) U14H.D2@136.4,24.4 ; v1(136,27.4) U14G.D9@136.4,27.8 ; v1(136,33) U14G.D2@136.4,33.4 ; v1(136,46.9) U14F.D9@136.4,47.3 ; v1(136,52.5) U14F.D2@136.4,52.9 ; v1(136,55.9) U14E.D9@136.4,56.3 ; v1(136,61.5) U14E.D2@136.4,61.9 ; v1(136,75.4) U14D.D9@136.4,75.8 ; v1(136,81) U14D.D2@136.4,81.4 ; v1(136,84.4) U14C.D9@136.4,84.8 ; v1(136,90) U14C.D2@136.4,90.4 ; v1(136,103.9) U14B.D9@136.4,104.3 ; v1(136,109.5) U14B.D2@136.4,109.9 ; v1(136,112.9) U14A.D9@136.4,113.3 ; v1(136,118.5) U14A.D2@136.4,118.9 ; v1(136.8,18.4) U14H.E9@137.2,18.8 ; v1(136.8,27.4) U14G.E9@137.2,27.8 ; v1(136.8,46.9) U14F.E9@137.2,47.3 ; v1(136.8,55.9) U14E.E9@137.2,56.3 ; v1(136.8,75.4) U14D.E9@137.2,75.8 ; v1(136.8,84.4) U14C.E9@137.2,84.8 ; v1(136.8,103.9) U14B.E9@137.2,104.3 ; v1(136.8,112.9) U14A.E9@137.2,113.3 ; v1(137.6,25.6) U14H.F1@138,25.2 ; v1(137.6,34.6) U14G.F1@138,34.2 ; v1(137.6,54.1) U14F.F1@138,53.7 ; v1(137.6,63.1) U14E.F1@138,62.7 ; v1(137.6,82.6) U14D.F1@138,82.2 ; v1(137.6,91.6) U14C.F1@138,91.2 ; v1(137.6,111.1) U14B.F1@138,110.7 ; v1(137.6,120.1) U14A.F1@138,119.7 ; v1(138.4,20.8) U14H.G7@138.8,20.4 ; v1(138.4,29.8) U14G.G7@138.8,29.4 ; v1(138.4,49.3) U14F.G7@138.8,48.9 ; v1(138.4,58.3) U14E.G7@138.8,57.9 ; v1(138.4,77.8) U14D.G7@138.8,77.4 ; v1(138.4,86.8) U14C.G7@138.8,86.4 ; v1(138.4,106.3) U14B.G7@138.8,105.9 ; v1(138.4,115.3) U14A.G7@138.8,114.9 ; v1(139.2,18.4) U14H.H9@139.6,18.8 ; v1(139.2,24) U14H.H2@139.6,24.4 ; v1(139.2,27.4) U14G.H9@139.6,27.8 ; v1(139.2,33) U14G.H2@139.6,33.4 ; v1(139.2,46.9) U14F.H9@139.6,47.3 ; v1(139.2,52.5) U14F.H2@139.6,52.9 ; v1(139.2,55.9) U14E.H9@139.6,56.3 ; v1(139.2,61.5) U14E.H2@139.6,61.9 ; v1(139.2,75.4) U14D.H9@139.6,75.8 ; v1(139.2,81) U14D.H2@139.6,81.4 ; v1(139.2,84.4) U14C.H9@139.6,84.8 ; v1(139.2,90) U14C.H2@139.6,90.4 ; v1(139.2,103.9) U14B.H9@139.6,104.3 ; v1(139.2,109.5) U14B.H2@139.6,109.9 ; v1(139.2,112.9) U14A.H9@139.6,113.3 ; v1(139.2,118.5) U14A.H2@139.6,118.9 ; U14H.K8@141.2,19.6 v1(141.6,20) ; U14H.K2@141.2,24.4 v1(141.6,24) ; U14G.K8@141.2,28.6 v1(141.6,29) ; U14G.K2@141.2,33.4 v1(141.6,33) ; U14F.K8@141.2,48.1 v1(141.6,48.5) ; U14F.K2@141.2,52.9 v1(141.6,52.5) ; U14E.K8@141.2,57.1 v1(141.6,57.5) ; U14E.K2@141.2,61.9 v1(141.6,61.5) ; U14D.K8@141.2,76.6 v1(141.6,77) ; U14D.K2@141.2,81.4 v1(141.6,81) ; U14C.K8@141.2,85.6 v1(141.6,86) ; U14C.K2@141.2,90.4 v1(141.6,90) ; U14B.K8@141.2,105.1 v1(141.6,105.5) ; U14B.K2@141.2,109.9 v1(141.6,109.5) ; U14A.K8@141.2,114.1 v1(141.6,114.5) ; U14A.K2@141.2,118.9 v1(141.6,118.5) ; U14H.N9@143.6,18.8 v1(144,18.4) ; U14H.N1@143.6,25.2 v1(144,25.6) ; U14G.N9@143.6,27.8 v1(144,27.4) ; U14G.N1@143.6,34.2 v1(144,34.6) ; U14F.N9@143.6,47.3 v1(144,46.9) ; U14F.N1@143.6,53.7 v1(144,54.1) ; U14E.N9@143.6,56.3 v1(144,55.9) ; U14E.N1@143.6,62.7 v1(144,63.1) ; U14D.N9@143.6,75.8 v1(144,75.4) ; U14D.N1@143.6,82.2 v1(144,82.6) ; U14C.N9@143.6,84.8 v1(144,84.4) ; U14C.N1@143.6,91.2 v1(144,91.6) ; U14B.N9@143.6,104.3 v1(144,103.9) ; U14B.N1@143.6,110.7 v1(144,111.1) ; U14A.N9@143.6,113.3 v1(144,112.9) ; U14A.N1@143.6,119.7 v1(144,120.1) ; U14H.R9@145.201,18.8 v1(145.601,18.4) ; U14H.R1@145.201,25.2 v1(145.601,25.6) ; U14G.R9@145.201,27.8 v1(145.601,27.4) ; U14G.R1@145.201,34.2 v1(145.601,34.6) ; U14F.R9@145.201,47.3 v1(145.601,46.9) ; U14F.R1@145.201,53.7 v1(145.601,54.1) ; U14E.R9@145.201,56.3 v1(145.601,55.9) ; U14E.R1@145.201,62.7 v1(145.601,63.1) ; U14D.R9@145.201,75.8 v1(145.601,75.4) ; U14D.R1@145.201,82.2 v1(145.601,82.6) ; U14C.R9@145.201,84.8 v1(145.601,84.4) ; U14C.R1@145.201,91.2 v1(145.601,91.6) ; U14B.R9@145.201,104.3 v1(145.601,103.9) ; U14B.R1@145.201,110.7 v1(145.601,111.1) ; U14A.R9@145.201,113.3 v1(145.601,112.9) ; U14A.R1@145.201,119.7 v1(145.601,120.1)